# Altium PCB Watch-PCB.PcbDoc
Units mil, origin at the board's own origin, x right, y up, seen from the top; angles counter-clockwise.
Board outline 925 x 1725 mil, 2 copper layers (Top Layer, Bottom Layer), stack 61.756 mil thick; 47 components, 53 nets, 214 pads, 0 vias.
Unrouted connection lines stored in the file: 40.
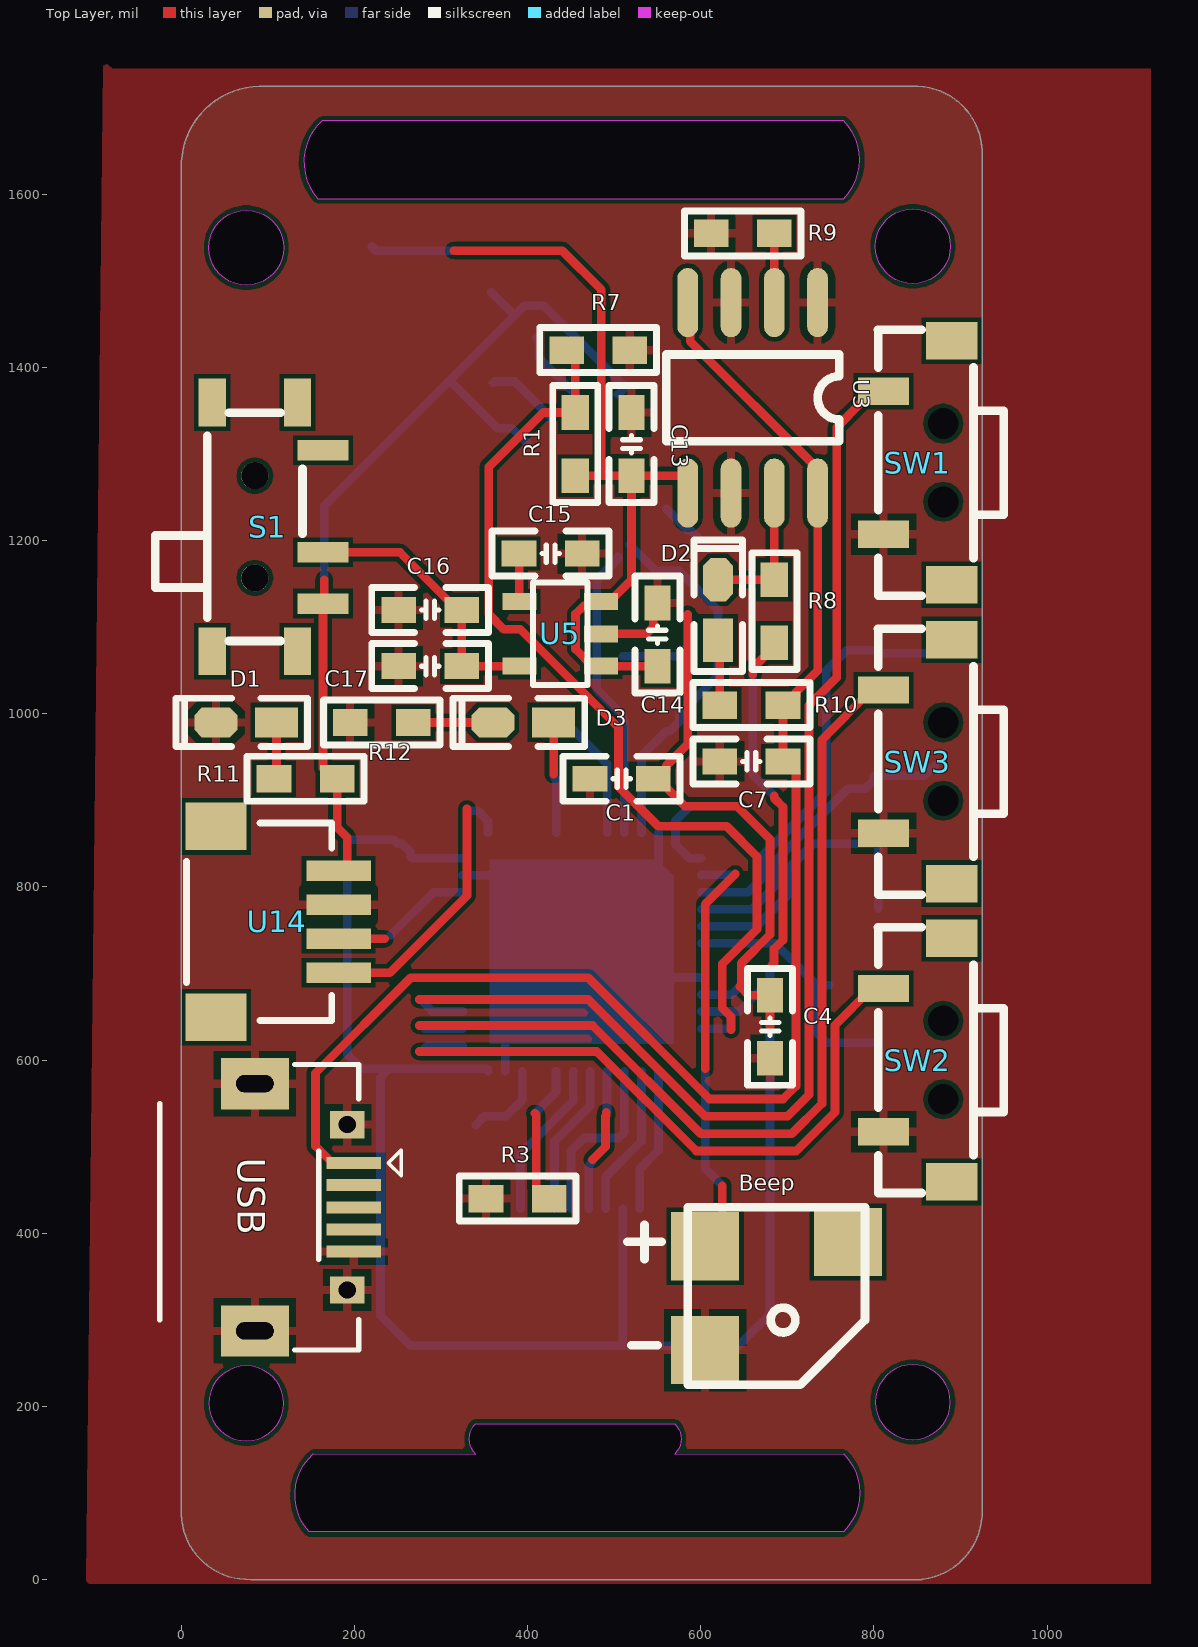
[diagram p0: Top Layer view]
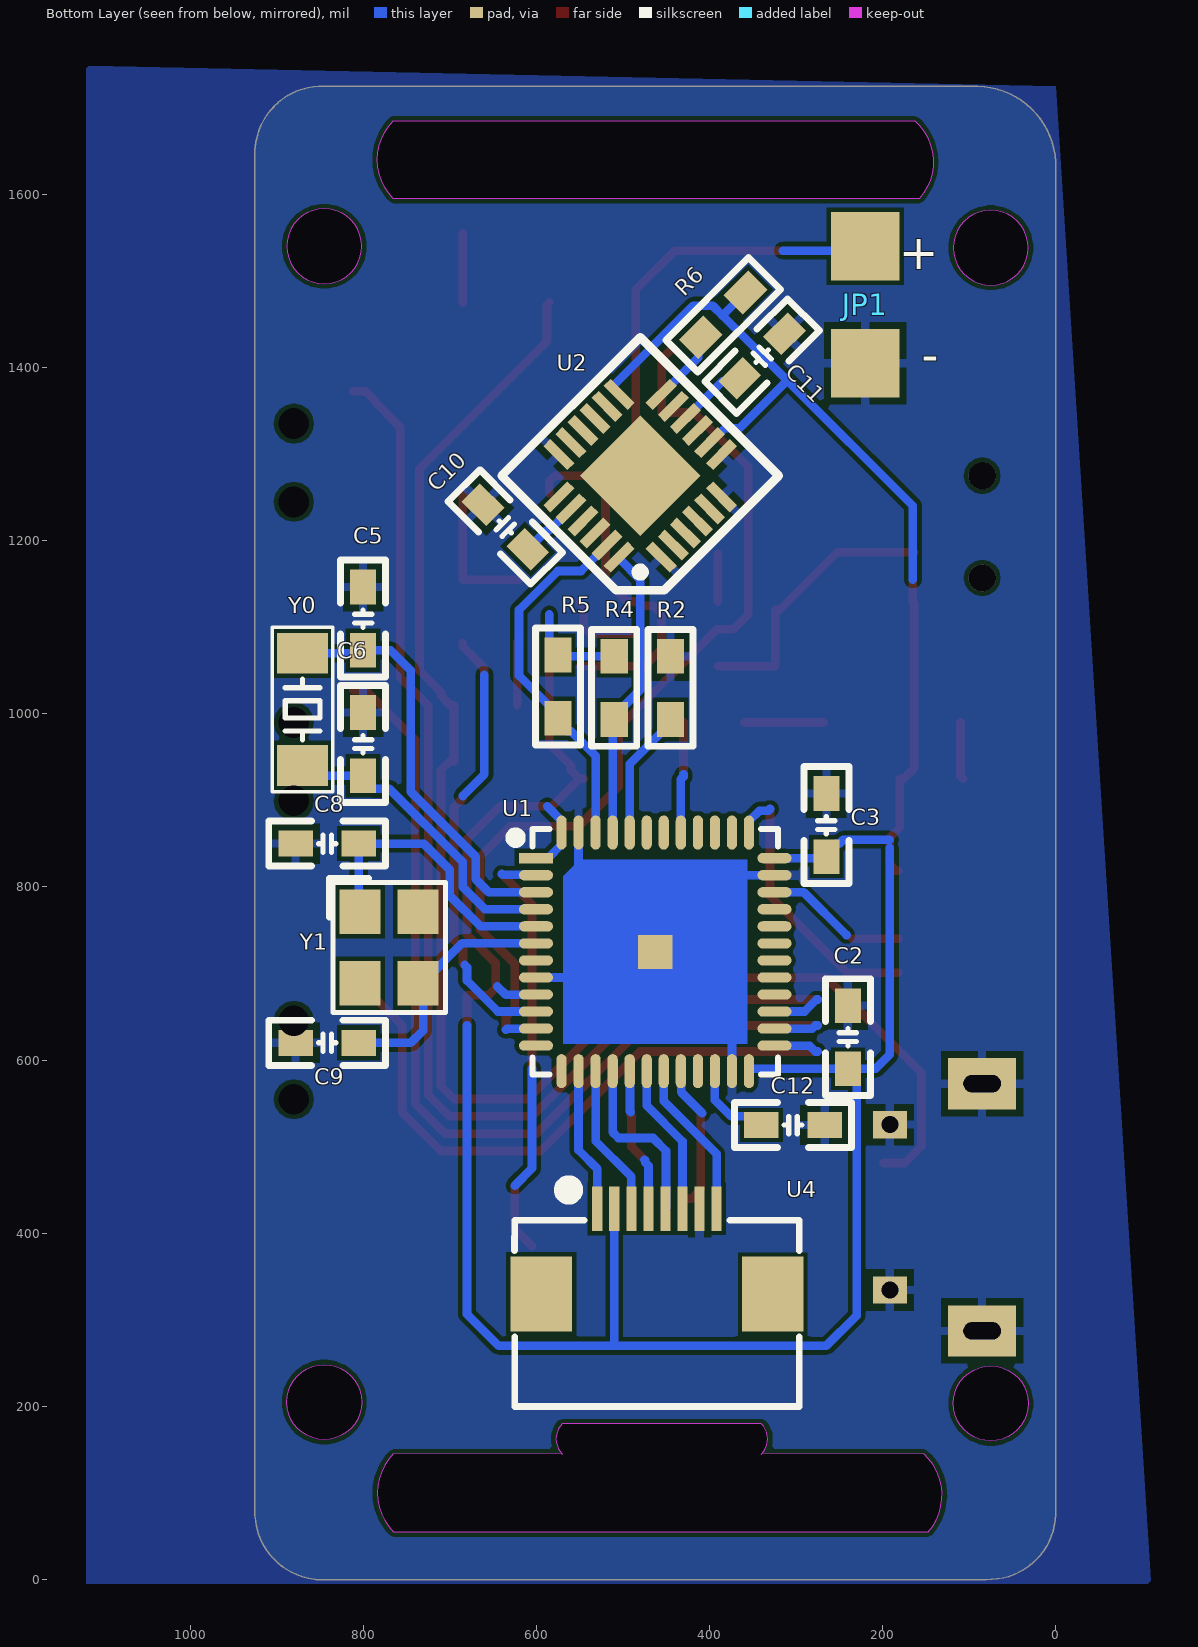
[diagram p1: Bottom Layer view, seen from below]
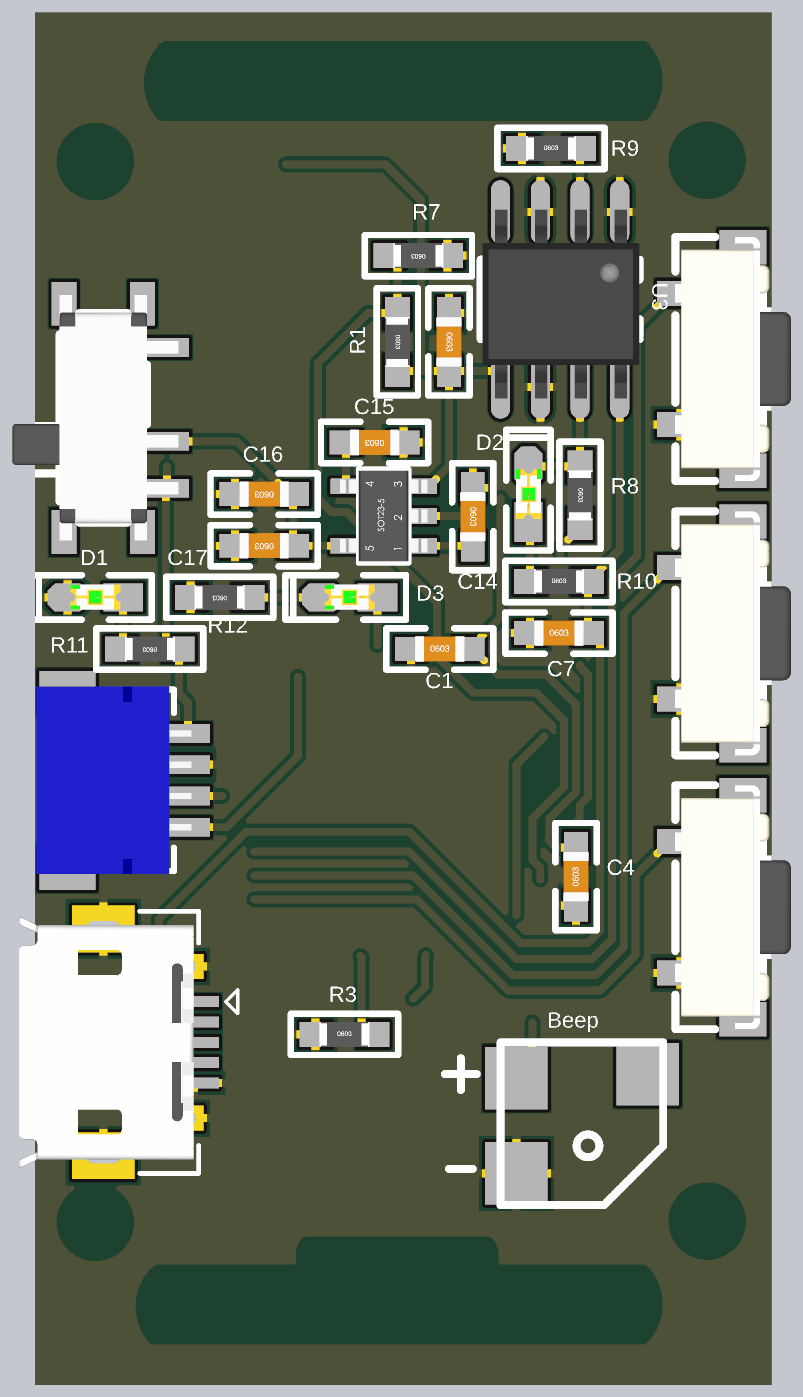
[diagram p2: 3D render of the assembled board from above, using the file's embedded part models]
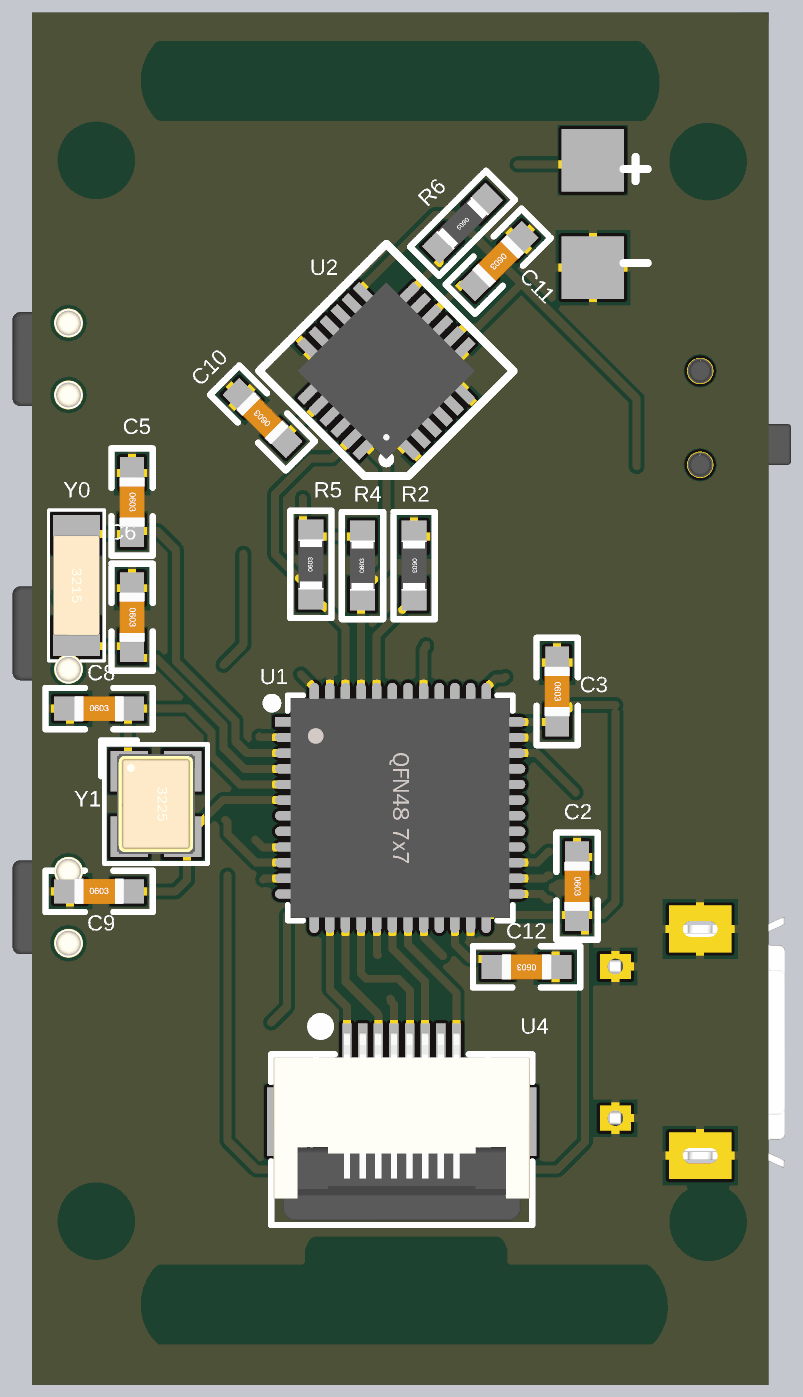
[diagram p3: 3D render of the assembled board from below, using the file's embedded part models]

## Layer stack, top to bottom
Top Solder: solder mask 1, SM-001, Dk 4
Top Layer: signal copper 1.378
Dielectric 1: core 59, Core-043, Dk 4.3
Bottom Layer: signal copper 1.378
Bottom Solder: solder mask 1, SM-001, Dk 4

## Board outline
0,75.04 ccw(c77.5,77.54) 80,0.04 855,0.04 850,0.04 ccw(c847.5,77.54) 925,80.04 925,1650.04 ccw(c847.5,1647.54) 845,1725.04 90,1725.04 ccw(c92.5,1632.54) 0,1630.04
cut-out: 801.69,205 ccw(c845,205) 845,161.69 ccw(c845,205) 888.31,205 ccw(c845,205) 845,248.31 ccw(c845,205)
cut-out: 31.68,203.43 ccw(c74.99,203.43) 74.99,160.12 ccw(c74.99,203.43) 118.3,203.43 ccw(c74.99,203.43) 74.99,246.73 ccw(c74.99,203.43)
cut-out: 845,1496.69 cw(c845,1540) 801.69,1540 cw(c845,1540) 845,1583.31 cw(c845,1540) 888.31,1540 cw(c845,1540)
cut-out: 74.99,1495.12 cw(c74.99,1538.43) 31.68,1538.43 cw(c74.99,1538.43) 74.99,1581.73 cw(c74.99,1538.43) 118.3,1538.43 cw(c74.99,1538.43)
cut-out: 147.5,55.04 cw(c195,97.54) 152.5,145.03 340,145 cw(c357.5,162.5) 340,180 570,180 cw(c552.5,162.5) 570,145 765,145.04 cw(c720,100.04) 765,55.04
cut-out: 157.78,1595.04 765,1595.04 ccw(c720,1640.04) 765,1685.04 162.78,1685.04 ccw(c205.28,1637.54)

## Design rules (kind name [scope] priority, off if disabled: settings)
Clearance [All] p1: gap=5 ignorepadtopadclearanceinfootprint=FALSE
Height [All] p1: minheight=0 maxheight=71537.31 prefheight=500
PolygonConnect [All] p1: connectstyle=Relief reliefconductorwidth=10 reliefentries=4 polygonreliefangle="90 Angle" airgapwidth=8.03
RoutingVias [All] p1: holewidth=28 width=50 viastyle="Through Hole" minholewidth=28 minwidth=50 maxholewidth=28 maxwidth=50
SolderMaskExpansion [All] p1: expansion=4 istentingtop=FALSE
Width [All] p1: maxlimit=393.7 minlimit=10 preferedwidth=10 minimp=50.000000 maximp=50.000000 favimp=50.000000
29 further rules are at their usual default settings.

## Classes and differential pairs
component class Watch-Sheet: Beep C1 C2 C3 C4 C5 C6 C7 C8 C9 C10 C11 C12 C13 C14 C15 C16 C17 D1 D2 D3 JP1 R1 R2 R3 R4 R5 R6 R7 R8 R9 R10 R11 R12 S1 SW1 SW2 SW3

## Components (designator, comment, footprint, x,y, rotation, side; value= is the part's Value field where it differs from the comment)
Beep "2PIN" 5020beep 115,255.73 r180 top
C1 "100NF" "C 0603_M" 508.5,925 r0 top
C2 "100NF" "C 0603_M" 240,626.5 r270 bottom
C3 "100NF" "C 0603_M" 265,871.5 r270 bottom
C4 "100NF" "C 0603_M" 680,638.5 r90 top
C5 "22PF" "C 0603_M" 800,1110 r270 bottom
C6 "22PF" "C 0603_M" 800,965 r270 bottom
C7 "10UF" "C 0603_M" 658.5,945 r0 top
C8 "22PF" "C 0603_M" 841.5,850 r180 bottom
C9 "22PF" "C 0603_M" 841.5,620 r180 bottom
C10 "2.2nf" "C 0603_M" 635.81,1215.81 r45 bottom
C11 "0.1uF" "C 0603_M" 339.19,1413.2 r315 bottom
C12 "Cap Chip 0603" "C 0603_M" 303.5,525 r0 bottom value=4.7uf
C13 "10UF" "C 0603_M" 520,1311.5 r270 top
C14 "105" "C 0603_M" 550,1091.5 r270 top
C15 "22nF" "C 0603_M" 426.5,1185 r180 top
C16 "104" "C 0603_M" 287.5,1120 r180 top
C17 "105" "C 0603_M" 287.5,1055 r180 top
D1 "红色" "LED 0603R" 75,990.26 r180 top
D2 "绿色" "LED 0603R" 620.26,1120 r90 top
D3 "红色" "LED 0603R" 395,990.26 r180 top
JP1 "2PIN" 2PIN -45,1260 r270 top
R1 "10k" "R 0603_M" 455,1311.5 r270 top
R2 "10K" "R 0603_M" 445,1030 r270 bottom
R3 "10K" "R 0603_M" 388.5,440 r0 top
R4 "10k" "R 0603_M" 510,1030 r90 bottom
R5 "10k" "R 0603_M" 575,1031.5 r90 bottom
R6 "10K" "R 0603_M" 384.19,1460.81 r315 bottom
R7 "10k" "R 0603_M" 481.5,1420 r180 top
R8 "1K" "R 0603_M" 685,1118.5 r270 top
R9 "1.2K" "R 0603_M" 648.5,1555 r0 top
R10 "4.7K" "R 0603_M" 658.5,1010 r0 top
R11 "1K" "R 0603_M" 143.5,925 r180 top
R12 "1K" "R 0603_M" 231.5,990 r180 top
S1 "MTS-10x" MSK-12C01-07 85,1215.94 r270 top
SW1 "3x6x5" "TSW 3*6*4.3-S-W" 880,1290 r90 top
SW2 "3x6x5" "TSW 3*6*4.3-S-W" 880,600 r90 top
SW3 "3x6x5" "TSW 3*6*4.3-S-W" 880,944.72 r90 top
U1 "STM32F411CEU6" "QFN48 7X7_M" 462.6,725 r270 bottom
U2 "MPU6050" QFN24 480,1275 r45 bottom
U3 "TP4056" SOP8 736,1474 r270 top
U4 "LCD" "FPC0.5 2H-WS-8P" 460.63,330 r180 bottom
U5 "RT9193" SOT23-5 485,1055 r90 top
U14 "JLink" JLink -104.6,627.58 r0 top
Y0 "XTAL 3215 32.768kKHz" "OSC 3215-2P" 870,1005.04 r270 bottom
Y1 "XTAL 3225 8M" "OSC 3225-4P" 770,730 r270 bottom
? "Micro USB" USB-micro_A 85,430 r270 top

## Footprints (in the part's own frame and the unit in brackets; to place one, negate y for a bottom-side part, rotate by r counter-clockwise, add the part's x,y. Pads: shape width x height; smd on the part's side, far side on the other; paste and mask are expansions set on the pad)
2PIN [mil]
  rect 78.74x78.74 smd far side: 1(-145,265) 2(-280,265)
5020beep [mm] "5020beep"
  rect 2x2 smd: 1(-12.446,-0.235) 2(-12.446,-3.283) " "(-16.637,-3.41)
  silkscreen extent -17.14,-4.43 -10.16,0.78, body extent -17.15,-4.36 -11.94,0.72, height 2.01
"C 0603_M" [mil] "无极性贴片电容"
  rect 40x30 smd: 1(-36.5,0) 2(36.5,0)
  silkscreen extent -68,-26 68,26, body extent -31,-16 31,16, height 32
"FPC0.5 2H-WS-8P" [mm] "长：8.2mm，宽：5.2mm，高：2mm"
  rect 1.8x2.2 smd: 0(-3.4,0) 0(3.4,0)
  rect 0.3x1.3 smd: 1(-1.75,2.497) 2(-1.25,2.497) 3(-0.75,2.497) 4(-0.25,2.497) 5(0.25,2.497) 6(0.75,2.497) 7(1.25,2.497) 8(1.75,2.497)
  silkscreen extent -4.18,-3.3 4.17,3.23, body extent -4.1,-3.15 4.1,2.85, height 2
JLink [mm]
  rect 1.8x1.4 smd: 0(3.673,0.558) 0(3.673,6.158)
  rect 1.9x0.6 smd: 1(7.273,4.858) 2(7.273,3.858) 3(7.273,2.858) 4(7.273,1.858)
  silkscreen extent 2.81,0.46 7.07,6.26, body extent 2.68,0.36 7.63,6.36, height 2.96
"LED 0603R" [mil] "红色0603LED"
  rect 50x35 smd: 1(-35,0.26)
  oct 50x35 smd: 2(35,0.26)
  silkscreen extent -71,-28 81,28, body extent -31,-16 31,16, height 18
MSK-12C01-07 [mm] "6.7*2.8*1.5mm(长宽高）"
  rect 1.4x0.8 smd: 0(-3.65,-1.25) 0(-3.65,1.25) 0(3.65,-1.25) 0(3.65,1.25)
  rect 0.6x1.5 smd: 1(-2.25,1.996) 2(0.75,1.996) 3(2.25,1.996)
  round 0.8 hole 0.8: " "(-1.5,0) " "(1.5,0)
  silkscreen extent -3.35,-2.92 3.35,1.4, body extent -3.92,-2.9 3.92,2.4, height 1.5
"OSC 3215-2P" [mm] "3.2*1.5*0.6mm(长宽高)"
  rect 1.2x1.5 smd: 1(-1.65,0) 2(1.65,0)
  silkscreen extent -2.41,-0.89 2.41,0.89, body extent -1.6,-0.75 1.6,0.75, height 0.61
"OSC 3225-4P" [mm] "3.2*2.5*0.7mm(长宽高)"
  rect 1.3x1.2 smd: 1(-1.05,-0.85) 2(1.05,-0.85) 3(1.05,0.85) 4(-1.05,0.85)
  silkscreen extent -2.03,-1.75 1.9,1.65, body extent -1.6,-1.25 1.6,1.25, height 0.7
QFN24 [mm] "4mm*4mm（蒜米工坊）"
  rect 1x0.3 smd: 1(-2.125,1.25) 2(-2.125,0.75) 3(-2.125,0.25) 4(-2.125,-0.25) 5(-2.125,-0.75) 6(-2.125,-1.25) 13(2.125,-1.25) 14(2.125,-0.75) 15(2.125,-0.25) 16(2.125,0.25) 17(2.125,0.75) 18(2.125,1.25)
  rect 0.3x1 smd: 7(-1.25,-2.125) 8(-0.75,-2.125) 9(-0.25,-2.125) 10(0.25,-2.125) 11(0.75,-2.125) 12(1.25,-2.125) 19(1.25,2.125) 20(0.75,2.125) 21(0.25,2.125) 22(-0.25,2.125) 23(-0.75,2.125) 24(-1.25,2.125)
  rect 2.5x2.5 smd: 25(0,0)
  silkscreen extent -2.88,-2.88 2.88,2.88, body extent -2,-2 2,2, height 0.9
"QFN48 7X7_M" [mm] "48脚，长x宽x高：7x7x1mm，脚距：0.5mm"
  rect 0.3x1 smd: 1(-2.75,-3.5)
  oval 0.3x1 smd: 2(-2.25,-3.5) 3(-1.75,-3.5) 4(-1.25,-3.5) 5(-0.75,-3.5) 6(-0.25,-3.5) 7(0.25,-3.5) 8(0.75,-3.5) 9(1.25,-3.5) 10(1.75,-3.5) 11(2.25,-3.5) 12(2.75,-3.5) 25(2.75,3.5) 26(2.25,3.5) 27(1.75,3.5) 28(1.25,3.5) 29(0.75,3.5) 30(0.25,3.5) 31(-0.25,3.5) 32(-0.75,3.5) 33(-1.25,3.5) 34(-1.75,3.5) 35(-2.25,3.5) 36(-2.75,3.5)
  oval 1x0.3 smd: 13(3.5,-2.75) 14(3.5,-2.25) 15(3.5,-1.75) 16(3.5,-1.25) 17(3.5,-0.75) 18(3.5,-0.25) 19(3.5,0.25) 20(3.5,0.75) 21(3.5,1.25) 22(3.5,1.75) 23(3.5,2.25) 24(3.5,2.75) 37(-3.5,2.75) 38(-3.5,2.25) 39(-3.5,1.75) 40(-3.5,1.25) 41(-3.5,0.75) 42(-3.5,0.25) 43(-3.5,-0.25) 44(-3.5,-0.75) 45(-3.5,-1.25) 46(-3.5,-1.75) 47(-3.5,-2.25) 48(-3.5,-2.75)
  rect 1x1 smd: 49(0,0)
  Top Layer region: -2.7,2.7 2.7,2.7 2.7,-2.7 -2.214,-2.7 -2.7,-2.214
  silkscreen extent -3.6,-4.25 3.6,3.6, body extent -3.51,-3.51 3.51,3.51, height 0.95
"R 0603_M" [mil] "1/10W贴片电阻"
  rect 40x31.5 smd: 1(-36.5,0) 2(36.5,0)
  silkscreen extent -68,-26 68,26, body extent -31,-16 31,16, height 16
SOP8 [mil] "（蒜米工坊）"
  oval 80x24 smd: 1(-1,-1) 2(-1,-51) 3(-1,-101) 4(-1,-151) 5(219,-151) 6(219,-101) 7(219,-51) 8(219,-1)
  silkscreen extent 59,-176 159,24, body extent -4,-174 234,24, height 63
SOT23-5 [mm]
  rect 0.5x1 smd: 1(0,0) 2(0.95,0) 3(1.9,0) 4(1.9,2.4) 5(0,2.4)
  silkscreen extent -0.55,0.4 2.45,2, body extent -0.5,-0.2 2.4,2.6, height 1.09
"TSW 3*6*4.3-S-W" [mm] "侧立贴片3*6*4.3"
  rect 1.1x1.5 smd: 0(-3.575,-0.25) 0(3.575,-0.25)
  round 0 hole 0.9: 0(-1.15,0) 0(1.15,0)
  rect 0.8x1.5 smd: 1(2.1,1.75) 2(-2.1,1.75)
  silkscreen extent -3.9,-1.78 3.9,1.91, body extent -3.9,-1.79 3.9,1.91, height 3.51
USB-micro_A [mm] "micro型USB ，5.7*7.8*2.5mm"
  rect 0.35x1.6 smd: 1(-1.3,2.9) 2(-0.65,2.9) 3(0,2.9) 4(0.65,2.9) 5(1.3,2.9)
  rect 1.5x2 hole 0.5 slot 1.1 at 90 deg: 5(-3.625,0) 5(3.625,0)
  rect 0.8x1 hole 0.5: 5(-2.425,2.71) 5(2.425,2.71)
  silkscreen extent -4.19,-2.79 4.19,4.3, body extent -4,-2.71 4,2.89, height 2.8

## Part data
C1 C2 C3 C4 C5 C6 C7 C8 C9 C13 C14 C15 C16 C17: library part "0402 CAP"
C10 C11: library part C, "无极性贴片电容", BOM名称=无极性贴片电容, 学习资源=www.ooocke.com, 版权归属=源创客
C12: "Polarized Capacitor (Radial)", Published=8-Jun-2000, Publisher="Altium Limited", Revision="July-2002: Re-released for DXP Platform."
D1 D2 D3: library part LED-SMD, "贴片LED", BOM名称=贴片LED, 学习资源=www.ooocke.com, 版权归属=源创客
R1 R4 R5 R6 R7 R8 R9 R10 R11 R12: library part R, "贴片电阻", BOM名称=贴片电阻, 学习资源=www.ooocke.com, 版权归属=源创客
R2 R3: library part "0402 RES"
S1: "MTS10x系列3脚扭子开关", BOM名称=MTS10x系列3脚扭子开关, 学习资源=www.ooocke.com, 版权归属=源创客
SW1 SW2 SW3: library part "TSW 3x6", "3x6轻触开关", BOM名称=3x6轻触开关, 学习资源=www.ooocke.com, 版权归属=源创客
U1: library part STM32F401CCU6
U4: "屏幕接口"
U5: library part mic5205

## Nets (pads, with @x,y where several pads share a name; then routed paths per layer and width w, separated by ;. In a path a pad name is that pad's centre, name@x,y a point inside that pad or via, vN(x,y) a via of type N, cw(c..) or ccw(c..) an arc to the next point about the centre after c; other vN are vias at no path point)
3V3: C1.2 C2.2 C3.2 C4.2 R4.2 R5.2 R6.1 R11.1 S1.3 U1.1 U1.9 U1.24 U1.36 U1.48 U2.8 U2.13 U4.2 U14.1 | length 3785.5
  Top Layer w10: 165,1155 165,1128.78 S1.3 163.58,937.17 175.75,925 R11.1 180,868.8 191.73,857.07 191.73,854.45 191.73,825.63 184.92,818.82 U14.1 ; C1.2 C1.2@550,925 ; 585,1115 585,965 560,940 560,935 C1.2@550,925 ; 645.33,685 655.33,675 C4.2 680,640 ; 646.85,686.52 646.85,711.85 680,745 680,855 641.85,893.15 587.44,893.15 581.85,893.15 C1.2@550,925
  Bottom Layer w10: 165,1155 165,1240 310,1385 ; 191.73,845 191.73,606.56 208.28,590 C2.2 ; 191.73,854.45 245.55,854.45 250,850 255,850 265,840 C3.2 266.73,833.27 U1.36 ; U1.24 354.33,589.16 353.49,590 C2.2 ; R6.1 385,1460 ; U2.8 398.68,1313.28 381.96,1330 365,1330 310,1385 ; U2.13 512.06,1376.66 512.06,1377.94 418.75,1471.25 396.25,1471.25 385,1460 ; 509.84,270 U4.2 ; R4.2 573.5,1066.5 585,1078 585,1115 ; 587.44,893.15 570.87,876.57 U1.48 570.87,849.02 586.61,833.27 U1.1 ; U1.9 600.74,675.44 635.44,675.44 645,685 ; 680,640 680,306.44 643.56,270 265,270 230,305 230,580 C2.2 ; 310,1385 385,1460
5V: ?.1 C7.2 R10.2 U3.4 U3.8 | length 1796.6
  Top Layer w10: ?.1 174.57,481.18 155,500.75 155,585 265,695 470,695 610,555 695,555 710,570 710,935 700,945 C7.2 R10.2 699.25,1010 710,1020.75 710,1025 735,1050 U3.8 735,1283 587.68,1430.32 587.68,1472.32 U3.4
BAT_CHG: R8.2 U1.10 | length 515.6
  Top Layer w10: 660,1045 660,1052.75 685,1077.75 R8.2 ; 682.81,709.84 684.66,711.7 684.66,728.45 695,738.79 695,892.38 685,902.38 685,905
  Bottom Layer w10: U1.10 644.16,656.1 680,691.94 680,707.04 682.81,709.84 ; 660,1045 660,930 685,905
BAT_VOL: R1.1 R7.2 U1.11 | length 1094.1
  Top Layer w10: R7.2 455,1410 R1.1 418,1348 355,1285 355,1115 372.5,1097.5 391.68,1097.5 505,984.18 505,915.86 550.86,870 630,870 665,835 665,751.21 625,711.21 625,660 634.93,650.07 634.93,635.07 635,635
  Bottom Layer w10: U1.11 600.74,636.07 633.93,636.07 635,635
Beep: Beep.2 U1.2 | length 501
  Top Layer w10: Beep.2 625,405 625,455 ; 605,590 605,780 639.85,814.85 639.85,815
  Bottom Layer w10: U1.2 600.74,813.93 638.77,813.93 639.85,815 ; 605,590 605,475 625,455
BOOT0: R2.2 U1.44 | length 150.2
  Bottom Layer w10: R2.2 445,989.25 492.13,942.12 U1.44
BOOT1: R3.2 U1.20 | length 166.7
  Top Layer w10: 408.47,538.47 410,536.94 410,450.75 420.75,440 R3.2
  Bottom Layer w10: 408.47,538.47 432.72,562.72 432.72,586.86 U1.20
GND: ?.5 Beep.1 C1.1 C2.1 C3.1 C4.1 C5.1 C6.1 C7.1 C8.1 C9.1 C10.2 C11.1 C12.1 C13.1 C14.1 C15.1 C16.2 C17.2 D1.2 JP1.1 R2.1 R3.1 R7.1 R9.1 R12.2 SW1.2 SW2.2 SW3.2 U1.8 U1.23 U1.35 U1.47 U1.49 U2.1 U2.6 U2.7 U2.9 U2.11 U2.18 U2.25 U3.1 U3.3 U3.6 U4.7 U5.2 U14.2 | length 299.4
  Top Layer w10: U5.2 537.4,1092.4 545,1100 545,1123 C14.1
  Bottom Layer w10: U1.35 368.58,813.58 370,815 ; 370,645 374.02,640.98 U1.23 ; 545,815 551.18,821.18 U1.47 ; 550,695 550.47,695.47 U1.8
KEY1: SW1.1 U1.27 | length 1428.3
  Top Layer w10: 275,670 470,670 605,535 700.15,535 725,559.85 725,1010 757,1042 757,1331.07 786.57,1360.65 786.57,1361.93 797.32,1372.68 SW1.1
  Bottom Layer w10: 275,670 276.22,670 290.12,656.1 U1.27
KEY2: SW2.1 U1.25 | length 772.9
  Top Layer w10: 275,610 480,610 595,495 710.15,495 755,539.85 755,640.35 797.32,682.68 SW2.1
  Bottom Layer w10: 275,610 277.62,610 284.35,616.73 U1.25
KEY3: SW3.1 U1.26 | length 1097.6
  Top Layer w10: 275,640 475,640 600,515 705.15,515 740,549.85 740,970.08 797.32,1027.4 SW3.1
  Bottom Layer w10: 275,640 277.62,640 281.2,636.42 U1.26
LCD_BLK: U1.19 U4.8 | length 184.2
  Bottom Layer w10: U4.8 391.73,491.73 452.76,552.76 U1.19
LCD_CS: U1.14 U4.1 | length 167.9
  Bottom Layer w10: U4.1 529.53,474.53 551.18,496.18 U1.14
LCD_DC: U1.16 U4.5 | length 208.1
  Bottom Layer w10: U4.5 450.16,428.94 450.16,495 465,509.84 465,510 505,510 511.81,516.81 U1.16
LCD_RES: U1.18 U4.6 | length 176
  Bottom Layer w10: U4.6 431.1,506.1 472.44,547.44 U1.18
LCD_SCL: U1.15 U4.3 | length 176
  Bottom Layer w10: U4.3 490.16,465.16 531.5,506.5 U1.15
LCD_SDA: U1.17 U4.4 | length 167.9
  Top Layer w10: 475,485 490,500 490,535 490.77,535.77 490.77,539.84
  Bottom Layer w10: U4.4 470.47,477.85 474.25,481.63 474.25,484.25 475,485 ; 490.77,539.84 491.78,540.85 491.78,586.86 U1.17
LED: D3.1 U1.41 | length 128.5
  Top Layer w10: 430,930 D3.1
  Bottom Layer w10: 430,930 430,927.38 433.07,924.31 U1.41
MPU_INT: R6.2 U2.12 | length 84.9
  Bottom Layer w10: R6.2 413.01,1431.99 413.01,1411.59 U2.12
MPU_SCL: R5.1 U1.46 U2.23 | length 429.1
  Bottom Layer w10: U2.23 548.24,1165 575,1165 620,1120 620,1044.25 575,999.25 575,990.75 564.25,980 560,980 531.5,951.5 U1.46
MPU_SDA: R4.1 U1.45 U2.24 | length 341.7
  Bottom Layer w10: U2.24 504.56,1180.84 504.56,1179.56 480,1155 480,1027.75 510,997.75 R4.1 511.81,991.69 U1.45
NetC10_1: C10.1 U2.20 | length 69.3
  Bottom Layer w10: U2.20 584.73,1212.02 587.98,1212.02 C10.1
NetC11_2: C11.2 U2.10 | length 86.1
  Bottom Layer w10: C11.2@360,1382.39 361.46,1383.85 385.07,1383.85 U2.10
NetC15_2: C15.2 U5.4 | length 55.4
  Top Layer w10: C15.2 390.51,1184.49 U5.4
NetD1_1: D1.1 R11.2 | length 66.2
  Top Layer w10: R11.2 110,928 D1.1
NetD2_1: D2.1 R10.1 | length 75.8
  Top Layer w10: D2.1 622,1083 R10.1
NetD2_2: D2.2 R8.1 U3.7 | length 165
  Top Layer w10: D2.2 R8.1 U3.7
NetD3_2: D3.2 R12.1 | length 92
  Top Layer w10: R12.1 D3.2
NetR9_2: R9.2 U3.2 | length 80
  Top Layer w10: U3.2 R9.2
NRST: U1.7
PA2: U1.12
PA3: U1.13
PA8: U1.29
PA9: U1.30
PA10: U1.31
PA11: U1.32
PA12: U1.33
PA13: U1.34 U14.3 | length 156.6
  Top Layer w10: U14.3 234.74,740.08
  Bottom Layer w10: 241.73,744.45 291.18,793.9 U1.34
PA14: U1.37 U14.4 | length 329.1
  Top Layer w10: U14.4 240.71,700.71 330,790 330,890
  Bottom Layer w10: 330,890 331.85,888.15 342.27,888.15 354.33,876.08 U1.37 U1.37@354.67,863.13
PA15: U1.38
PB3: U1.39
PB4: U1.40
PB6: U1.42
PB7: U1.43
PB10: U1.21
PB15: U1.28
PC14: C5.2 U1.3 Y0.1 | length 484.2
  Bottom Layer w10: U1.3 655,793.9 670,808.9 670,835 745,910 745,1050 768.5,1073.5 C5.2 803.5,1070 Y0.1
PC15: C6.2 U1.4 Y0.2 | length 358.1
  Bottom Layer w10: U1.4 659.21,774.21 685,800 685,828.79 769.71,913.5 790,913.5 800,923.5 C6.2 858.42,928.5 Y0.2
PH0: C8.2 U1.5 Y1.1 | length 336.7
  Bottom Layer w10: U1.5 664.53,754.53 700,790 700,820 730,850 C8.2 Y1.1@805,775
PH1: C9.2 U1.6 Y1.3 | length 304.2
  Bottom Layer w10: U1.6 600.55,735 685.71,735 730.71,690 730.71,634.29 745,620 C9.2 ; Y1.3@729.17,686.34 Y1.3@748.46,686.34
VCAP1: C12.2 U1.22 | length 99.1
  Bottom Layer w10: C12.2 350,535 375,535 393.7,553.7 U1.22
VIN: C13.2 C14.2 JP1.2 R1.2 U3.5 U5.1 U5.3 | length 992.4
  Top Layer w10: 315,1535 440,1535 485,1490 485,1277.5 487.5,1275 ; R1.2 487.5,1275 ; C14.2 U5.1 475.16,1055 455.32,1074.84 455.32,1115.24 465.04,1124.96 480.16,1124.96 U5.3 494.84,1129.8 520,1154.96 C13.2 ; U3.5 585,1268.53 578.53,1275 C13.2 ; 487.5,1275 C13.2
  Bottom Layer w10: JP1.2 225,1535 315,1535
VOUT: C16.1 C17.1 S1.2 U5.5 | length 319.4
  Top Layer w10: S1.2 252.58,1186.42 319,1120 C16.1 C17.1 U5.5
pads on no net: "Beep. " "S1. " ?.2 ?.3 ?.4 S1.0 S1.1 SW1.0 SW2.0 SW3.0 U2.2 U2.3 U2.4 U2.5 U2.14 U2.15 U2.16 U2.17 U2.19 U2.21 U2.22 U4.0 U14.0 Y1.2 Y1.4

## Polygon pours and split planes (outlines as drawn)
GND on Top Layer "GND_L01_P005" (solid, pour order 5): -90,1755 -80,1745 1120,1745 1120,-5 -110,-5
GND on Bottom Layer "GND_L02_P007" (solid, pour order 7): 0,1725.04 1116.44,1748.56 1120,1745 1120,-5 -106.4,-5 -109.96,-1.44

## Silkscreen, mask and mechanical layers (free items; w line width, h text height)
Bottom Overlay:
  text "+" at 135,1513.34 h40
  text "-" at 135,1395.01 h40
Mechanical 13:
  circle w10: c845,205 r43.31
  circle w10: c845,1540 r43.31
  circle w10: c74.99,1538.43 r43.31
  circle w10: c74.99,203.43 r43.31
  lines w10: 150,55 cw(c197.5,97.5) 155,145 345,145 cw(c362.5,162.5) 345,180 ; 150,55.04 770,55.04 ; 350,180 575,180 cw(c557.5,162.5) 575,145 ; 575,145.04 770,145.04 ; 770,55 ccw(c724.86,100) 770,145 ; 850,0.04 ccw(c847.5,77.54) 925,80.04 925,1650.04 ccw(c847.5,1647.54) 845,1725.04 90,1725.04 ; 855,0.04 80,0.04 cw(c77.5,77.54) 0,75.04 0,1630.04 cw(c92.5,1632.54) 90,1725.04 ; 90,1725.04 ccw(c83.69,1641.35) 90,1725.04 ; 157.78,1595.04 cw(c205.28,1637.54) 162.78,1685.04 170,1685.04 765,1685.04 cw(c720,1640.04) 765,1595.04 157.78,1595.04

## Text inside footprints (layer, text, board x,y; h text height)
?: Top Overlay "USB" at 65,487.28 h31.5 r270